# Altium PCB Bran_Main_Assay_PCB_v2.PcbDoc (part 7 of 15) (continued)
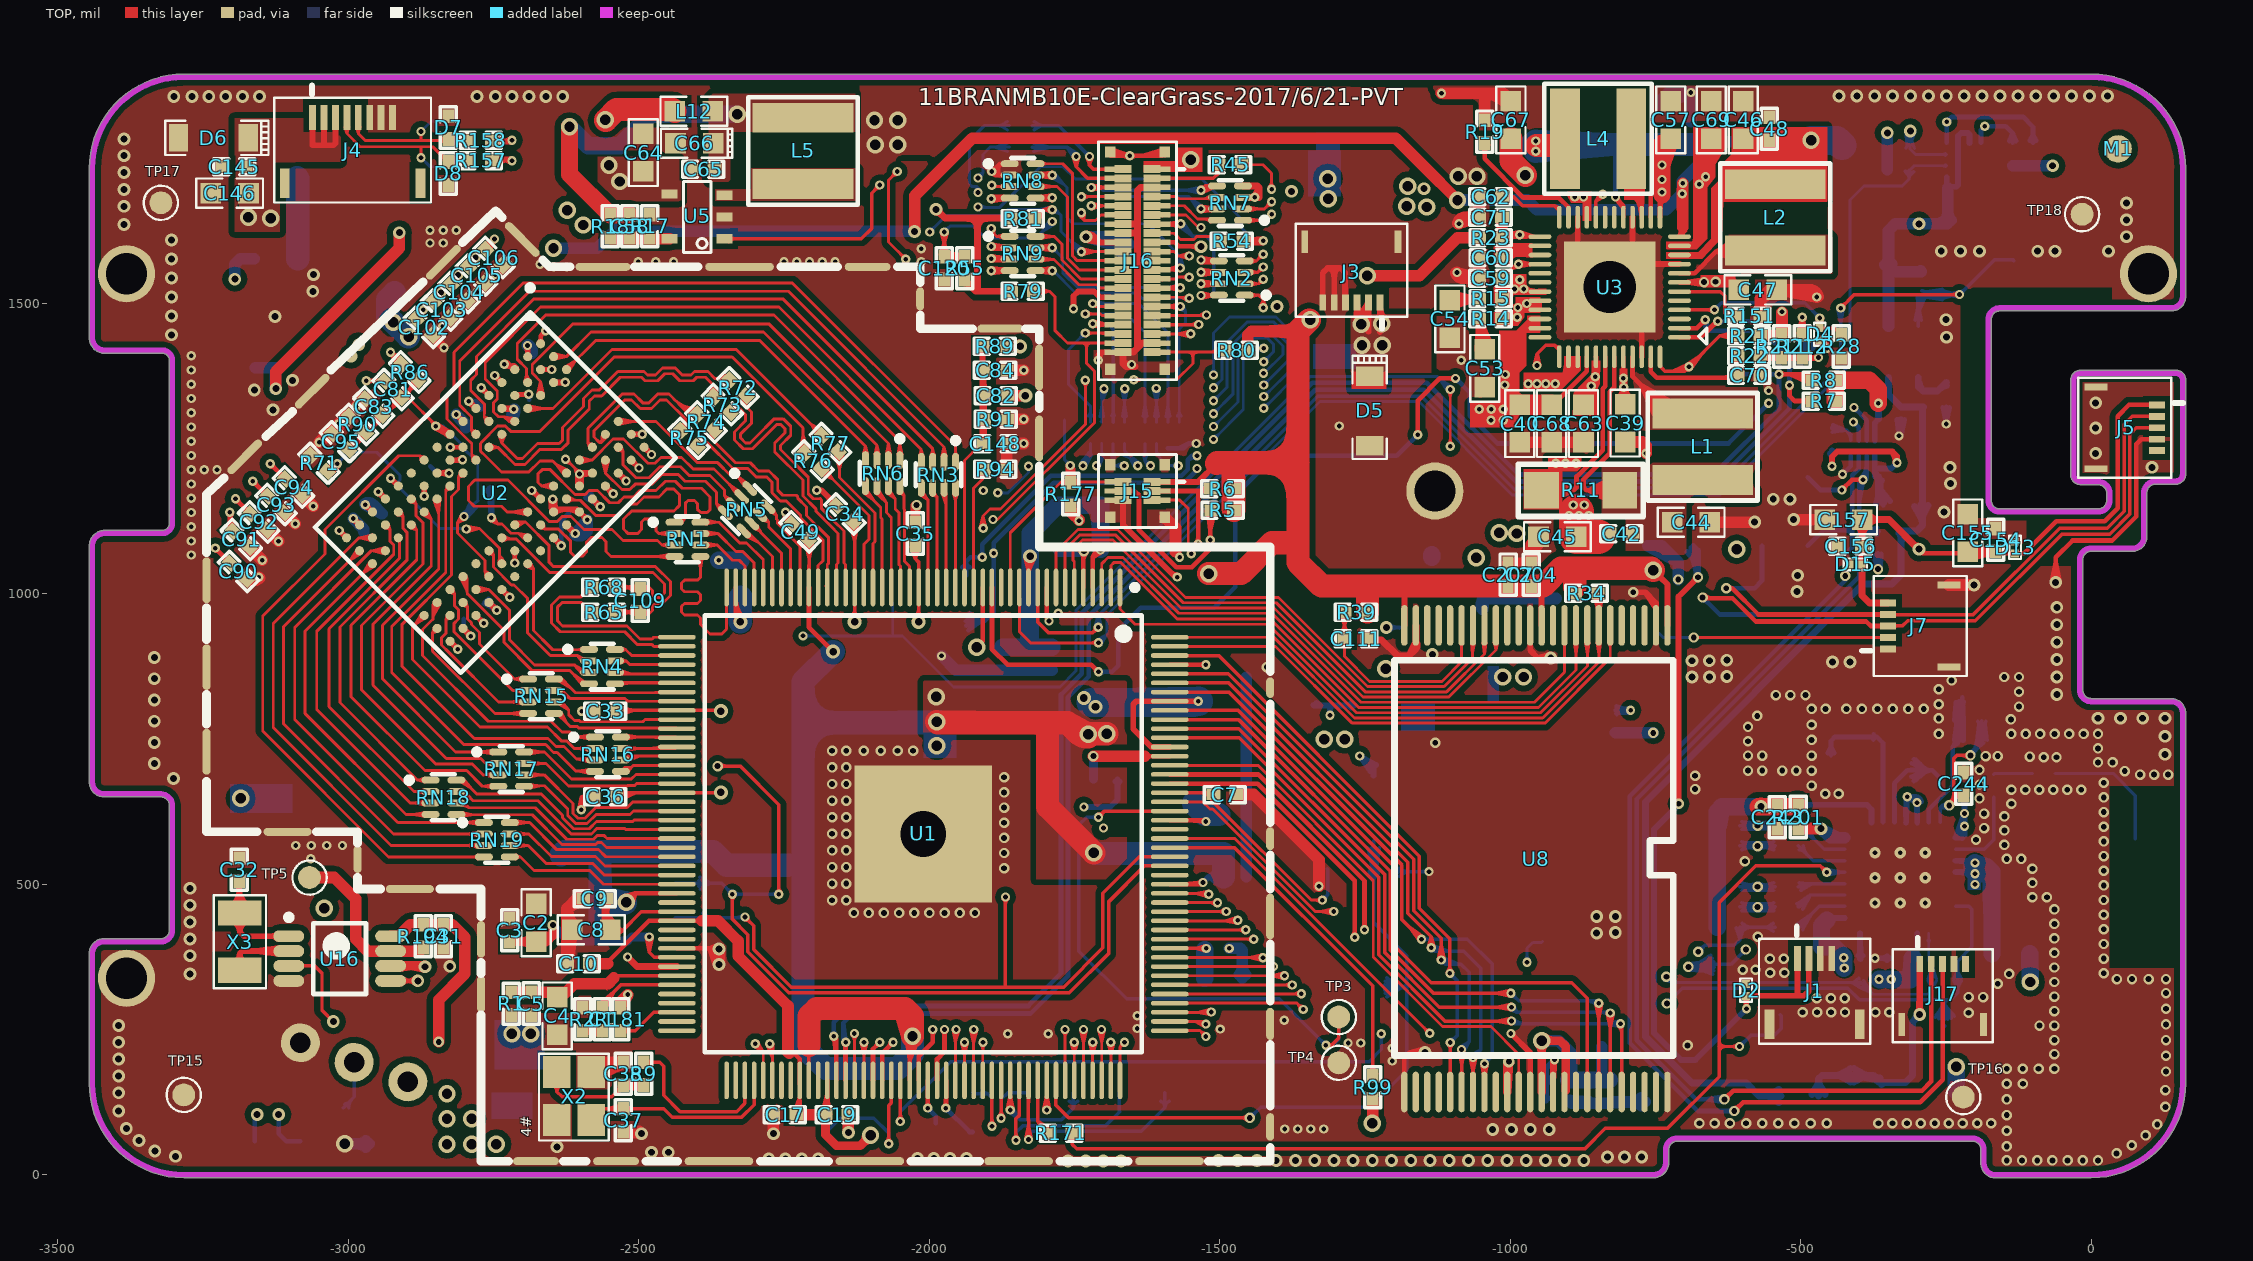
[diagram p0: TOP view]
## Nets (pads, with @x,y where several pads share a name; then routed paths per layer and width w, separated by ;. In a path a pad name is that pad's centre, name@x,y a point inside that pad or via, vN(x,y) a via of type N, cw(c..) or ccw(c..) an arc to the next point about the centre after c; other vN are vias at no path point) (continued)
  BOTTOM w5: v1@-1915.16,1660.61 -1907.21,1665.1 ; v1@-1914.88,1671.31 -1905.7,1666.01 ; v1@-1914.86,1660.68 -1905.7,1666.01 ; v1@-1914.14,1671.05 -1907.21,1665.1 ; v1@-1912.41,1662.1 cw(c-1904.21,1653.9) -1904.21,1665.5 ; v1@-1912.41,1669.88 ccw(c-1901.83,1680.46) -1901.83,1665.5 ; v1@-1429.34,1603.85 ccw(c-1438.73,1594.46) -1438.73,1607.74 ccw(c-1438.73,1621.02) v1@-1429.34,1611.63 ; v1@-1427.22,1602.53 -1435.29,1608.19 ; v1@-1427.22,1612.95 -1435.29,1607.29 ; v1@-1426.74,1602.39 -1435.29,1607.29 ; v1@-1426.74,1613.09 -1435.29,1608.19 ; v1@-1423.45,1607.74 v1(-1425.45,1607.74) ; v1(-1916.3,1665.99) -1905.7,1666.01 ; v1(-1916.3,1665.99) -1907.21,1665.1 ; v1(-1916.3,1665.99) -1915.81,1665.5 -1878.79,1665.5 -1808.95,1735.34 -1769.8,1735.34 -1748.57,1714.11 -1531.31,1714.11 -1463.57,1646.37 -1463.57,1631.11 -1440.2,1607.74 v1(-1425.45,1607.74) ; -1435.29,1607.29 v1(-1425.45,1607.74) ; -1435.29,1608.19 v1(-1425.45,1607.74)
LCD-D2: RN7.2 U1.148 | length 1745.5
  TOP w5: U1.148@-1586.22,484.56 v1@-1520.27,484.56 ; U1.148@-1557.67,484.56 -1538.74,484.56 ; -1535.32,484.56 cw(c-1535.32,467) v1@-1522.9,479.42 ; -1529.27,484.56 ccw(c-1529.27,493.56) v1@-1522.9,487.2 ; v1@-1520.6,478.04 -1530.78,483.96 ; v1@-1520,488.72 -1530.78,483.96 ; v1@-1519.97,477.89 -1542.11,484.56 ; v1@-1519.37,488.8 -1542.11,484.56 ; RN7.2@-1460.22,1662.9 -1423.04,1662.9 v1(-1410.94,1674.99) ; RN7.2@-1450.43,1659.41 -1429.72,1662.9 ; RN7.2@-1450.43,1666.39 -1429.72,1662.9 ; RN7.2@-1449.9,1659.5 -1444.46,1662.61 ; RN7.2@-1449.9,1666.3 -1444.46,1663.19 ; RN7.2@-1449.59,1659.59 -1444.46,1663.19 ; RN7.2@-1449.59,1666.21 -1444.46,1662.61 ; RN7.2@-1448.24,1660.43 cw(c-1442.27,1654.45) -1442.27,1662.9 cw(c-1442.27,1671.35) RN7.2@-1448.24,1665.38 ; v1@-1416.44,1674.99 cw(c-1429.72,1674.99) -1420.33,1665.6 cw(c-1410.94,1656.21) v1@-1410.94,1669.49 ; -1542.11,484.56 v1(-1519.02,483.31) -1530.78,483.96 ; RN7.2@-1450.72,1662.9 -1444.46,1663.19 ; RN7.2@-1450.72,1662.9 -1444.46,1662.61 ; RN7.2@-1450.72,1662.9 -1429.72,1662.9
  Singal w5: v1@-1522.48,487.58 -1500.41,501.91 v1@-1514.74,479.85 ; v1(-1519.02,483.31) -1487.95,514.37 -1487.95,1623.97 -1456.92,1654.99 -1430.94,1654.99 v1(-1410.94,1674.99) ; v1@-1519.02,488.81 ccw(c-1519.02,502.09) -1509.63,492.7 ccw(c-1500.24,483.31) v1@-1513.52,483.31 ; v1@-1416.44,1674.99 cw(c-1429.72,1674.99) -1420.33,1665.6 cw(c-1410.94,1656.21) v1@-1410.94,1669.49
LCD-D3: RN7.1 U1.147 | length 1757.3
  TOP w5: U1.147@-1586.22,468.81 -1525.03,468.81 ; U1.147@-1557.67,468.81 -1538.74,468.81 ; -1525.02,468.81 v1@-1504.52,468.81 ; -1518.5,468.81 cw(c-1518.5,453.82) v1@-1507.9,464.42 ; -1516.09,468.81 ccw(c-1516.09,480.38) v1@-1507.9,472.2 ; v1@-1506.18,463.25 -1513.09,469.2 ; v1@-1505.44,462.99 -1514.62,468.3 ; v1@-1505.45,473.62 -1514.62,468.3 ; v1@-1505.15,473.69 -1513.09,469.2 ; RN7.1@-1460.22,1643.21 -1421.23,1643.21 v1(-1410.94,1653.49) ; RN7.1@-1450.43,1639.72 -1429.72,1643.21 ; RN7.1@-1450.43,1646.7 -1429.72,1643.21 ; RN7.1@-1449.9,1639.81 -1444.46,1642.92 ; RN7.1@-1449.9,1646.61 -1444.46,1643.5 ; RN7.1@-1449.59,1639.9 -1444.46,1643.5 ; RN7.1@-1449.59,1646.52 -1444.46,1642.92 ; RN7.1@-1448.24,1640.74 cw(c-1442.27,1634.76) -1442.27,1643.21 cw(c-1442.27,1651.66) RN7.1@-1448.24,1645.69 ; v1@-1416.44,1653.49 cw(c-1429.72,1653.49) -1420.33,1644.1 cw(c-1410.94,1634.71) v1@-1410.94,1647.99 ; -1514.62,468.3 v1(-1504.02,468.31) -1513.09,469.2 ; RN7.1@-1450.72,1643.21 -1444.46,1643.5 ; RN7.1@-1450.72,1643.21 -1444.46,1642.92 ; RN7.1@-1450.72,1643.21 -1429.72,1643.21
  Singal w5: v1@-1507.48,472.58 -1485.41,486.91 v1@-1499.74,464.85 ; v1(-1504.02,468.31) -1477.45,494.87 -1477.45,1621.74 -1457.45,1641.74 -1422.7,1641.74 ; v1@-1504.02,473.81 ccw(c-1504.02,487.09) -1494.63,477.7 ccw(c-1485.24,468.31) v1@-1498.52,468.31 ; v1@-1416.44,1653.49 cw(c-1429.72,1653.49) -1420.33,1644.1 cw(c-1410.94,1634.71) v1@-1410.94,1647.99 ; v1@-1415.42,1656.68 -1422.7,1641.74 ; v1@-1407.75,1649.01 -1422.7,1641.74 ; -1422.7,1641.74 v1(-1410.94,1653.49) -1422.7,1641.74
LCD-D4: RN2.4 U1.146 | length 1726.7
  TOP w5: U1.146@-1586.22,453.06 v1@-1489.26,453.06 ; U1.146@-1557.67,453.06 -1538.74,453.06 ; -1502.89,453.06 ccw(c-1502.89,467.18) v1@-1492.9,457.2 ; -1501.7,453.06 cw(c-1501.7,440.62) v1@-1492.9,449.42 ; v1@-1490.98,458.45 -1498.48,452.64 ; v1@-1490.62,448.05 -1499.23,453.54 ; v1@-1490.37,458.64 -1499.23,453.54 ; v1@-1490.23,447.94 -1498.48,452.64 ; RN2.4@-1457.22,1573.27 -1436.92,1573.27 ; RN2.4@-1447.15,1569.82 -1436.92,1573.27 ; RN2.4@-1447.15,1576.72 -1436.92,1573.27 ; RN2.4@-1446.9,1569.87 -1441.46,1572.98 ; RN2.4@-1446.9,1576.67 -1441.46,1573.56 ; RN2.4@-1446.59,1569.96 -1441.46,1573.56 ; RN2.4@-1446.59,1576.58 -1441.46,1572.98 ; RN2.4@-1445.24,1570.8 cw(c-1439.27,1564.82) -1439.27,1573.27 cw(c-1439.27,1581.72) RN2.4@-1445.24,1575.75 ; v1@-1430.95,1584.74 cw(c-1444.23,1584.74) -1434.84,1575.35 cw(c-1425.45,1565.96) v1@-1425.45,1579.24 ; v1(-1425.45,1584.74) -1436.92,1573.27 ; -1499.23,453.54 v1(-1489.02,453.31) -1498.48,452.64 ; RN2.4@-1447.72,1573.27 -1441.46,1573.56 ; RN2.4@-1447.72,1573.27 -1441.46,1572.98 ; RN2.4@-1447.72,1573.27 -1436.92,1573.27
  Singal w5: v1@-1492.48,457.58 -1470.41,471.91 v1@-1484.74,449.85 ; v1(-1489.02,453.31) -1468.45,473.87 -1468.45,1563.74 -1447.45,1584.74 ; v1@-1489.02,458.81 ccw(c-1489.02,472.09) -1479.63,462.7 ccw(c-1470.24,453.31) v1@-1483.52,453.31 ; v1@-1429.34,1580.85 ccw(c-1438.73,1571.46) -1438.73,1584.74 ccw(c-1438.73,1598.02) v1@-1429.34,1588.63 ; v1@-1427.22,1579.53 -1435.29,1585.19 ; v1@-1427.22,1589.95 -1435.29,1584.29 ; v1@-1426.74,1579.39 -1435.29,1584.29 ; v1@-1426.74,1590.09 -1435.29,1585.19 ; v1@-1426.14,1579.28 -1447.45,1584.74 ; v1@-1426.14,1590.2 -1447.45,1584.74 ; -1447.45,1584.74 v1(-1425.45,1584.74) ; -1447.45,1584.74 v1(-1425.45,1584.74) ; -1435.29,1584.29 v1(-1425.45,1584.74) ; -1435.29,1585.19 v1(-1425.45,1584.74)
LCD-D5: RN2.3 U1.145 | length 1763.5
  TOP w5: U1.145@-1586.22,437.31 v1@-1470.01,437.31 ; U1.145@-1557.67,437.31 -1538.74,437.31 ; -1484.7,437.31 ccw(c-1484.7,453.99) v1@-1472.9,442.2 ; -1479.89,437.31 cw(c-1479.89,427.43) v1@-1472.9,434.42 ; v1@-1471.61,443.16 -1477.33,436.98 ; v1@-1470.55,443.59 -1480.38,437.88 ; v1@-1470.14,432.92 -1480.38,437.88 ; v1@-1469.97,432.89 -1477.33,436.98 ; v1@-1469.91,443.73 -1492.08,437.31 ; v1@-1469.43,432.82 -1492.08,437.31 ; RN2.3@-1456.06,1554.74 RN2.3@-1457.22,1553.58 -1434.61,1553.58 ; RN2.3@-1447.25,1550.11 -1434.61,1553.58 ; RN2.3@-1447.25,1557.05 -1434.61,1553.58 ; RN2.3@-1446.9,1550.18 -1441.46,1553.29 ; RN2.3@-1446.9,1556.98 -1441.46,1553.87 ; RN2.3@-1446.59,1550.27 -1441.46,1553.87 ; RN2.3@-1446.59,1556.89 -1441.46,1553.29 ; RN2.3@-1445.24,1551.11 cw(c-1439.27,1545.13) -1439.27,1553.58 cw(c-1439.27,1562.03) RN2.3@-1445.24,1556.06 ; v1@-1430.95,1562.64 cw(c-1443.45,1562.42) -1434.61,1553.58 ; v1@-1425.55,1557.24 ccw(c-1425.77,1544.74) -1434.61,1553.58 ; v1(-1425.45,1562.74) -1434.61,1553.58 ; -1492.08,437.31 v1(-1469.02,438.31) ; -1480.38,437.88 v1(-1469.02,438.31) ; -1477.33,436.98 v1(-1469.02,438.31) ; RN2.3@-1447.72,1553.58 -1441.46,1553.87 ; RN2.3@-1447.72,1553.58 -1441.46,1553.29 ; RN2.3@-1447.72,1553.58 -1434.61,1553.58
  Singal w5: v1@-1472.03,442.91 -1459.45,447.87 ; v1(-1469.02,438.31) -1459.45,447.87 ; v1@-1469.02,443.81 ccw(c-1469.02,457.09) -1459.63,447.7 ccw(c-1450.24,438.31) v1@-1463.52,438.31 ; v1@-1464.42,435.29 -1459.45,447.87 ; v1@-1429.34,1558.85 ccw(c-1438.73,1549.46) -1438.73,1562.74 ccw(c-1438.73,1576.02) v1@-1429.34,1566.63 ; v1@-1427.22,1557.53 -1435.29,1563.19 ; v1@-1427.22,1567.95 -1435.29,1562.29 ; v1@-1426.74,1557.39 -1435.29,1562.29 ; v1@-1426.74,1568.09 -1435.29,1563.19 ; v1@-1426.34,1557.31 -1442.45,1562.74 ; v1@-1426.34,1568.17 -1442.45,1562.74 ; -1459.45,447.87 -1459.45,1545.74 -1442.45,1562.74 ; -1442.45,1562.74 v1(-1425.45,1562.74) ; -1442.45,1562.74 v1(-1425.45,1562.74) ; -1435.29,1562.29 v1(-1425.45,1562.74) ; -1435.29,1563.19 v1(-1425.45,1562.74)
LCD-D6: RN2.2 U1.144 | length 1758.4
  TOP w5: U1.144@-1586.22,421.57 v1@-1455.75,421.57 ; U1.144@-1557.67,421.57 -1538.74,421.57 ; -1469.13,421.57 ccw(c-1469.13,435.43) v1@-1459.34,425.63 ; -1468.32,421.57 cw(c-1468.32,408.87) v1@-1459.34,417.85 ; v1@-1457.35,426.9 -1465.03,421.14 ; RN2.2@-1457.22,1533.9 -1433.29,1533.9 ; v1@-1457.1,416.5 -1465.55,422.04 ; v1@-1456.79,427.08 -1465.55,422.04 ; v1@-1456.69,416.38 -1465.03,421.14 ; RN2.2@-1447.29,1530.43 -1433.29,1533.9 ; RN2.2@-1447.29,1537.37 -1433.29,1533.9 ; RN2.2@-1446.9,1530.5 -1441.46,1533.61 ; RN2.2@-1446.9,1537.3 -1441.46,1534.19 ; RN2.2@-1446.59,1530.59 -1441.46,1534.19 ; RN2.2@-1446.59,1537.21 -1441.46,1533.61 ; RN2.2@-1445.24,1531.43 cw(c-1439.27,1525.45) -1439.27,1533.9 cw(c-1439.27,1542.35) RN2.2@-1445.24,1536.38 ; v1@-1430.9,1541 cw(c-1439.25,1539.86) -1433.29,1533.9 ; v1@-1426.19,1536.29 ccw(c-1427.33,1527.94) -1433.29,1533.9 ; v1(-1425.45,1541.74) -1433.29,1533.9 ; -1465.55,422.04 v1(-1455.45,421.74) -1465.03,421.14 ; RN2.2@-1447.72,1533.9 -1441.46,1534.19 ; RN2.2@-1447.72,1533.9 -1441.46,1533.61 ; RN2.2@-1447.72,1533.9 -1433.29,1533.9
  Singal w5: v1@-1460.54,423.83 -1450.6,440.77 ; v1@-1459.56,425.39 -1450.19,431.82 ; v1@-1459.34,425.63 ccw(c-1483.21,449.5) -1449.45,449.5 ; v1@-1455.8,422.09 ccw(c-1471.14,437.43) -1449.45,437.43 ; v1@-1450.1,420.45 -1450.19,431.82 ; v1@-1449.98,421.14 -1450.6,440.77 ; v1@-1429.56,1538.09 ccw(c-1437.7,1530.85) -1437.7,1541.74 ; v1@-1429.56,1545.4 cw(c-1437.7,1552.63) -1437.7,1541.74 ; v1@-1427.48,1536.63 -1434.27,1542.29 ; v1@-1427.48,1546.85 -1434.27,1541.19 ; v1@-1426.83,1536.42 -1434.27,1541.19 ; v1@-1426.83,1547.06 -1434.27,1542.29 ; v1@-1426.68,1536.38 -1437.7,1541.74 ; v1@-1426.68,1547.1 -1437.7,1541.74 ; v1(-1455.45,421.74) -1450.19,431.82 ; v1(-1455.45,421.74) -1450.6,440.77 ; v1(-1455.45,421.74) -1449.45,427.74 -1449.45,1529.99 -1437.7,1541.74 ; -1437.7,1541.74 v1(-1425.45,1541.74) ; -1437.7,1541.74 v1(-1425.45,1541.74) ; -1434.27,1541.19 v1(-1425.45,1541.74) ; -1434.27,1542.29 v1(-1425.45,1541.74)
LCD-D7: RN2.1 U1.143 | length 1719.7
  TOP w5: U1.143@-1586.22,405.82 v1(-1441.5,405.82) ; U1.143@-1557.67,405.82 -1538.74,405.82 ; RN2.1@-1457.22,1514.21 -1432.92,1514.21 ; RN2.1@-1447.3,1510.73 -1432.92,1514.21 ; RN2.1@-1447.3,1517.69 -1432.92,1514.21 ; RN2.1@-1446.9,1510.81 -1441.46,1513.92 ; RN2.1@-1446.9,1517.61 -1441.46,1514.5 ; RN2.1@-1446.59,1510.9 -1441.46,1514.5 ; RN2.1@-1446.59,1517.52 -1441.46,1513.92 ; v1@-1445.39,401.93 ccw(c-1454.78,392.54) -1454.78,405.82 ccw(c-1454.78,419.1) v1@-1445.39,409.71 ; RN2.1@-1445.24,1511.74 cw(c-1439.27,1505.76) -1439.27,1514.21 cw(c-1439.27,1522.66) RN2.1@-1445.24,1516.69 ; v1@-1443.28,400.62 -1451.34,406.27 ; v1@-1443.28,411.03 -1451.34,405.37 ; v1@-1442.79,400.48 -1451.34,405.37 ; v1@-1442.79,411.17 -1451.34,406.27 ; v1@-1430.84,1493.82 -1425.45,1506.74 ; v1@-1430.8,1494.03 -1425.9,1502.58 ; v1@-1430.65,1494.52 -1425,1502.58 ; v1@-1429.34,1496.63 ccw(c-1438.73,1506.02) -1425.45,1506.02 ccw(c-1412.17,1506.02) v1@-1421.56,1496.63 ; v1@-1420.24,1494.52 -1425.9,1502.58 ; v1@-1420.1,1494.03 -1425,1502.58 ; v1@-1420.06,1493.82 -1425.45,1506.74 ; -1451.34,405.37 v1(-1441.5,405.82) ; -1451.34,406.27 v1(-1441.5,405.82) ; RN2.1@-1447.72,1514.21 -1441.46,1514.5 ; RN2.1@-1447.72,1514.21 -1441.46,1513.92 ; RN2.1@-1447.72,1514.21 -1432.92,1514.21 ; -1432.92,1514.21 -1425.45,1506.74 ; -1425.9,1502.58 v1(-1425.45,1492.74) ; v1(-1425.45,1492.74) -1425,1502.58 ; v1(-1425.45,1492.74) -1425.45,1506.74
  Singal w5: v1@-1446.32,408.47 -1440.12,414.05 ; v1@-1445.39,409.71 ccw(c-1457.32,421.64) -1440.45,421.64 ; -1440.45,416.56 ccw(c-1430.76,416.56) v1@-1437.61,409.71 ; v1@-1436.08,406.75 -1440.12,414.05 ; v1@-1430.95,1492.74 cw(c-1444.23,1492.74) -1434.84,1483.35 cw(c-1425.45,1473.96) v1@-1425.45,1487.24 ; v1@-1429.81,1496.09 -1440.45,1477.74 ; v1@-1422.1,1488.38 -1440.45,1477.74 ; -1440.45,1477.74 v1(-1425.45,1492.74) -1440.45,1477.74 ; -1440.45,1477.74 -1440.45,406.87 v1(-1441.5,405.82) -1440.12,414.05
LCD-D10: RN8.3 U1.141 | length 2799.3
  TOP w5: v1(-1892.46,1703.5) -1890.12,1701.16 RN8.3@-1861.69,1701.16 ; RN8.3@-1873.67,1698.69 ccw(c-1879.64,1692.71) -1879.64,1701.16 ccw(c-1879.64,1709.61) RN8.3@-1873.67,1703.63 ; RN8.3@-1872.32,1697.85 -1877.46,1701.45 ; RN8.3@-1872.32,1704.47 -1877.46,1700.87 ; RN8.3@-1872.02,1697.76 -1877.46,1700.87 ; RN8.3@-1872.02,1704.56 -1877.46,1701.45 ; U1.141@-1586.22,374.32 -1426.14,374.32 v1(-1425.65,373.83) ; U1.141@-1557.67,374.32 -1538.74,374.32 ; -1440.12,374.32 cw(c-1440.12,359.35) v1@-1429.53,369.94 ; -1437.73,374.32 ccw(c-1437.73,385.91) v1@-1429.53,377.72 ; v1@-1427.81,368.77 -1434.73,374.72 ; v1@-1427.08,379.14 -1436.24,373.81 ; v1@-1427.07,368.51 -1436.24,373.81 ; v1@-1426.78,379.21 -1434.73,374.72 ; v1@-1426.42,368.38 -1448.66,374.32 ; v1@-1426.19,379.3 -1448.66,374.32 ; -1877.46,1700.87 -1871.19,1701.16 -1877.46,1701.45 ; -1448.66,374.32 v1(-1425.65,373.83) ; -1436.24,373.81 v1(-1425.65,373.83) ; -1434.73,374.72 v1(-1425.65,373.83)
  Singal w5: v1(-1892.46,1703.5) -1884.96,1695.99 -1844.46,1695.99 -1823.46,1675 -1823.46,1534.4 -1746.46,1457.4 -1746.46,1332.74 -1734.46,1320.74 -1584.2,1320.74 -1537.94,1366.99 -1520.94,1366.99 ; v1@-1516.44,1376.99 cw(c-1529.72,1376.99) -1520.33,1367.6 cw(c-1510.94,1358.21) v1@-1510.94,1371.49 ; v1@-1515.52,1380.05 -1520.94,1366.99 ; v1@-1507.89,1372.42 -1520.94,1366.99 ; v1@-1429.91,1319.08 -1424.45,1296.74 ; v1@-1429.8,1318.45 -1424.9,1309.9 ; v1@-1429.65,1317.96 -1424,1309.9 ; v1@-1428.34,1315.85 cw(c-1437.73,1306.46) -1424.45,1306.46 cw(c-1411.17,1306.46) v1@-1420.56,1315.85 ; v1(-1425.65,373.83) -1389.45,410.02 -1389.45,899 -1424.45,934 v1(-1424.45,1319.74) ; v1@-1425.65,379.33 ccw(c-1425.65,392.61) -1416.26,383.22 ccw(c-1406.87,373.83) v1@-1420.15,373.83 ; v1@-1419.24,1317.96 -1424.9,1309.9 ; v1@-1419.1,1318.45 -1424,1309.9 ; v1@-1418.99,1319.08 -1424.45,1296.74 ; -1520.94,1366.99 v1(-1510.94,1376.99) -1520.94,1366.99 ; -1424.9,1309.9 v1(-1424.45,1319.74) ; -1424.45,1296.74 v1(-1424.45,1319.74) ; v1(-1424.45,1319.74) -1424,1309.9
  BOTTOM w5: v1@-1516.15,1378.77 -1510.49,1386.83 ; v1@-1514.83,1380.88 ccw(c-1524.22,1390.27) -1510.94,1390.27 ccw(c-1497.67,1390.27) v1@-1507.06,1380.88 ; v1@-1505.6,1378.28 -1510.49,1386.83 ; v1(-1424.45,1319.74) -1423.94,1319.74 -1364.45,1379.23 -1364.45,1437.74 -1403.45,1476.74 -1483.18,1476.74 -1510.94,1448.97 v1(-1510.94,1376.99) -1510.49,1386.83 ; v1@-1424.45,1325.24 ccw(c-1424.45,1339.74) -1414.2,1329.49 ; v1@-1418.95,1319.74 cw(c-1406.89,1319.74) -1415.42,1328.27
LCD-D11: RN8.4 U1.140 | length 3420.7
  TOP w5: v1@-1892.59,1685.43 -1881.37,1680.85 ; v1@-1892.46,1680 v1@-1890.99,1681.47 ; v1@-1891.85,1674.74 -1881.37,1680.85 ; v1@-1889.58,1676.11 cw(c-1876.64,1663.17) RN8.4@-1876.64,1681.47 ; v1@-1889.58,1683.89 ccw(c-1883.74,1689.73) -1883.74,1681.47 ; RN8.4@-1873.67,1679 ccw(c-1879.64,1673.02) -1879.64,1681.47 ccw(c-1879.64,1689.92) RN8.4@-1873.67,1683.94 ; RN8.4@-1872.32,1678.16 -1877.46,1681.76 ; RN8.4@-1872.32,1684.78 -1877.46,1681.18 ; RN8.4@-1872.02,1678.07 -1877.46,1681.18 ; RN8.4@-1872.02,1684.87 -1877.46,1681.76 ; RN8.4@-1861.69,1681.47 v1@-1890.99,1681.47 ; U1.140@-1586.22,358.57 -1407.9,358.57 v1(-1407.65,358.83) ; U1.140@-1557.67,358.57 -1538.74,358.57 ; -1421.54,358.57 ccw(c-1421.54,372.72) v1@-1411.53,362.72 ; -1420.31,358.57 cw(c-1420.31,346.16) v1@-1411.53,354.94 ; v1@-1409.61,363.96 -1417.1,358.15 ; v1@-1409.24,353.56 -1417.88,359.05 ; v1@-1409.01,364.16 -1417.88,359.05 ; v1@-1408.86,353.46 -1417.1,358.15 ; v1(-1893.46,1680) RN8.4@-1871.19,1681.47 ; v1(-1893.46,1680) RN8.4@-1871.5,1684.96 ; v1(-1893.46,1680) RN8.4@-1871.5,1677.98 ; v1(-1893.46,1680) RN8.4@-1871.19,1681.47 ; v1(-1893.46,1680) RN8.4@-1872.18,1684.83 ; v1(-1893.46,1680) RN8.4@-1871.03,1677.97 ; v1(-1893.46,1680) RN8.4@-1870.36,1681.47 ; v1(-1893.46,1680) -1881.37,1680.85 ; v1@-1893.15,1685.49 RN8.4@-1871.19,1681.47 ; v1@-1893.15,1685.49 RN8.4@-1871.19,1681.47 ; v1@-1893.16,1685.49 RN8.4@-1870.36,1681.47 ; v1@-1892.43,1674.6 RN8.4@-1871.19,1681.47 ; v1@-1892.43,1674.6 RN8.4@-1871.19,1681.47 ; v1@-1892.47,1674.59 RN8.4@-1870.36,1681.47 ; v1@-1890.99,1681.47 RN8.4@-1871.19,1681.47 ; v1@-1890.99,1681.47 RN8.4@-1871.5,1684.96 ; v1@-1890.99,1681.47 RN8.4@-1871.5,1677.98 ; v1@-1885.79,1679.02 RN8.4@-1871.19,1681.47 ; v1@-1885.79,1679.02 RN8.4@-1872.18,1684.83 ; v1@-1885.79,1679.02 RN8.4@-1871.03,1677.97 ; -1877.46,1681.18 RN8.4@-1871.19,1681.47 ; -1877.46,1681.76 RN8.4@-1871.19,1681.47 ; RN8.4@-1872.18,1684.83 -1891.58,1674.83 RN8.4@-1871.5,1684.96 ; RN8.4@-1872.18,1684.83 -1894,1685.47 RN8.4@-1871.5,1684.96 ; RN8.4@-1871.5,1677.98 -1893.28,1674.5 RN8.4@-1871.03,1677.97 ; RN8.4@-1871.5,1677.98 -1892.28,1685.37 RN8.4@-1871.03,1677.97 ; -1417.88,359.05 v1(-1407.65,358.83) ; -1417.1,358.15 v1(-1407.65,358.83)
  Singal w5: v1@-1892.81,1674.54 -1870.46,1680 ; v1@-1892.81,1685.46 -1870.46,1680 ; v1@-1892.46,1680 -1845.46,1680 -1832.46,1667 -1832.46,1530.67 -1755.46,1453.67 -1755.46,1324.03 -1743.18,1311.74 -1580.47,1311.74 -1537.42,1354.79 v1(-1510.94,1354.79) ; v1@-1892.17,1674.65 -1883.62,1679.55 ; v1@-1892.17,1685.35 -1883.62,1680.45 ; v1@-1891.69,1674.79 -1883.62,1680.45 ; v1@-1891.69,1685.21 -1883.62,1679.55 ; v1@-1889.58,1676.11 cw(c-1880.19,1666.72) -1880.19,1680 cw(c-1880.19,1693.28) v1@-1889.58,1683.89 ; v1@-1514.83,1350.9 ccw(c-1524.22,1341.51) -1524.22,1354.79 ccw(c-1524.22,1368.07) v1@-1514.83,1358.68 ; v1@-1512.72,1349.59 -1520.79,1355.24 ; v1@-1512.72,1360 -1520.79,1354.34 ; v1@-1512.24,1349.45 -1520.79,1354.34 ; v1@-1512.24,1360.14 -1520.79,1355.24 ; v1@-1424.45,1334.24 cw(c-1424.45,1319.74) -1414.2,1329.99 ; v1(-1424.45,1339.74) -1423.94,1339.74 -1408.45,1324.25 -1408.45,930.73 -1380.45,902.73 -1380.45,386.02 v1(-1407.65,358.83) ; v1@-1418.95,1339.74 ccw(c-1406.89,1339.74) -1415.42,1331.21 ; v1@-1411.11,363.1 -1389.04,377.43 v1@-1403.37,355.37 ; v1@-1407.65,364.33 ccw(c-1407.65,377.61) -1398.26,368.22 ccw(c-1388.87,358.83) v1@-1402.15,358.83 ; v1(-1893.46,1680) -1870.46,1680 ; v1(-1893.46,1680) -1883.62,1680.45 ; v1(-1893.46,1680) -1883.62,1679.55 ; -1520.79,1354.34 v1(-1510.94,1354.79) ; -1520.79,1355.24 v1(-1510.94,1354.79)
  BOTTOM w5: v1(-1510.94,1354.79) -1496.44,1369.29 -1496.44,1424.49 -1453.2,1467.74 -1407.18,1467.74 -1373.45,1434.01 -1373.45,1390.23 -1423.94,1339.74 v1(-1424.45,1339.74) ; v1@-1510.94,1360.29 ccw(c-1510.94,1373.57) -1501.56,1364.18 ccw(c-1492.17,1354.79) v1@-1505.44,1354.79 ; v1@-1424.45,1345.24 ccw(c-1424.45,1359.74) -1414.2,1349.49 ; v1@-1418.95,1339.74 cw(c-1406.89,1339.74) -1415.42,1348.27
LCD-D12: RN9.1 U1.139 | length 2976.3
  TOP w5: v1@-1897.51,1625.27 -1888.46,1619.53 ; v1@-1893.57,1623.5 cw(c-1893.68,1618.29) -1888.46,1618.29 ; v1(-1893.46,1629) -1888.46,1619.53 ; v1@-1888.46,1629 -1888.46,1619.53 ; v1@-1888.1,1630.23 -1888.46,1619.53 ; RN9.1@-1873.67,1613.06 ccw(c-1879.64,1607.08) -1879.64,1615.53 ccw(c-1879.64,1623.98) RN9.1@-1873.67,1618 ; RN9.1@-1872.32,1612.22 -1877.46,1615.82 ; RN9.1@-1872.32,1618.84 -1877.46,1615.24 ; RN9.1@-1872.02,1612.13 -1877.46,1615.24 ; RN9.1@-1872.02,1618.93 -1877.46,1615.82 ; RN9.1@-1871.66,1612.06 -1884.46,1615.53 ; RN9.1@-1871.66,1619 -1884.46,1615.53 ; RN9.1@-1861.69,1615.53 -1884.46,1615.53 ; U1.139@-1586.22,342.83 v1(-1388.65,342.83) ; U1.139@-1557.67,342.83 -1538.74,342.83 ; -1401.94,342.83 cw(c-1401.94,329.54) v1@-1392.53,338.94 ; -1401.91,342.83 ccw(c-1401.91,356.09) v1@-1392.53,346.72 ; v1@-1390.43,337.62 -1398.48,343.28 ; v1@-1390.42,348.03 -1398.49,342.38 ; v1@-1389.94,337.48 -1398.49,342.38 ; v1@-1389.94,348.17 -1398.48,343.28 ; v1@-1389.3,337.37 -1411.65,342.83 ; v1@-1389.3,348.29 -1411.65,342.83 ; -1888.46,1619.53 -1884.46,1615.53 ; -1884.46,1615.53 RN9.1@-1871.19,1615.53 ; -1877.46,1615.24 RN9.1@-1871.19,1615.53 ; -1877.46,1615.82 RN9.1@-1871.19,1615.53 ; -1411.65,342.83 v1(-1388.65,342.83) ; -1398.49,342.38 v1(-1388.65,342.83) ; -1398.48,343.28 v1(-1388.65,342.83)
  Singal w5: v1@-1892.81,1623.54 -1870.46,1629 ; v1@-1892.81,1634.46 -1870.46,1629 ; v1@-1892.17,1623.65 -1883.62,1628.55 ; v1@-1892.17,1634.35 -1883.62,1629.45 ; v1@-1891.69,1623.79 -1883.62,1629.45 ; v1@-1891.69,1634.21 -1883.62,1628.55 ; v1@-1889.58,1625.11 cw(c-1880.19,1615.72) -1880.19,1629 cw(c-1880.19,1642.28) v1@-1889.58,1632.89 ; v1@-1888.46,1629 -1863.46,1629 -1841.46,1607 -1841.46,1526.94 -1764.46,1449.94 -1764.46,1320.3 -1746.9,1302.74 -1576.74,1302.74 -1546.89,1332.59 v1(-1510.94,1332.59) ; v1@-1514.83,1328.7 ccw(c-1524.22,1319.31) -1524.22,1332.59 ccw(c-1524.22,1345.87) v1@-1514.83,1336.48 ; v1@-1512.72,1327.39 -1520.79,1333.04 ; v1@-1512.72,1337.8 -1520.79,1332.14 ; v1@-1512.24,1327.25 -1520.79,1332.14 ; v1@-1512.24,1337.94 -1520.79,1333.04 ; v1@-1511.6,1327.13 -1533.94,1332.59 ; v1@-1511.6,1338.05 -1533.94,1332.59 ; v1@-1424.45,1354.24 cw(c-1424.45,1339.74) -1414.2,1349.99 ; v1@-1423.94,1359.74 -1399.45,1335.25 -1399.45,934.46 -1371.45,906.46 -1371.45,360.02 ; v1@-1418.95,1359.74 ccw(c-1406.89,1359.74) -1415.42,1351.21 ; v1@-1392.07,347.13 -1371.45,360.02 ; v1(-1388.65,342.83) -1371.45,360.02 ; v1@-1388.65,348.33 ccw(c-1388.65,361.61) -1379.26,352.22 ccw(c-1369.87,342.83) v1@-1383.15,342.83 ; v1@-1384.34,339.4 -1371.45,360.02 ; v1(-1893.46,1629) -1870.46,1629 ; v1(-1893.46,1629) -1883.62,1629.45 ; v1(-1893.46,1629) -1883.62,1628.55 ; -1533.94,1332.59 v1(-1510.94,1332.59) ; -1520.79,1332.14 v1(-1510.94,1332.59) ; -1520.79,1333.04 v1(-1510.94,1332.59)
  BOTTOM w5: v1(-1510.94,1332.59) -1487.44,1356.09 -1487.44,1420.7 -1449.4,1458.74 -1410.9,1458.74 -1382.45,1430.28 -1382.45,1401.73 v1(-1424.45,1359.74) ; v1@-1510.94,1338.09 ccw(c-1510.94,1351.37) -1501.56,1341.98 ccw(c-1492.17,1332.59) v1@-1505.44,1332.59 ; v1@-1424.45,1365.24 ccw(c-1424.45,1378.55) -1415.04,1369.14 ccw(c-1405.7,1359.74) v1@-1418.95,1359.74
LCD-D13: RN9.2 U1.138 | length 3460.2
  TOP w5: v1@-1894.18,1592.55 RN9.2@-1871.5,1592.35 ; v1@-1894.16,1592.54 RN9.2@-1872.28,1592.51 ; v1@-1893.32,1592.5 RN9.2@-1870.25,1595.84 ; v1@-1892.92,1592.53 -1880.32,1596.54 ; v1@-1892.47,1592.59 RN9.2@-1870.94,1599.33 ; v1@-1892.45,1592.59 RN9.2@-1871.5,1599.33 ; v1@-1892.31,1603.38 RN9.2@-1870.25,1595.84 ; v1@-1891.74,1603.22 -1880.32,1596.54 ; v1@-1889.58,1594.11 cw(c-1885.4,1589.94) -1885.4,1595.84 ; v1@-1889.58,1601.89 ccw(c-1874.97,1616.49) RN9.2@-1874.97,1595.84 ; RN9.2@-1873.67,1593.37 ccw(c-1879.64,1587.39) -1879.64,1595.84 ccw(c-1879.64,1604.29) RN9.2@-1873.67,1598.31 ; RN9.2@-1872.32,1592.53 -1877.46,1596.13 ; RN9.2@-1872.32,1599.15 -1877.46,1595.55 ; RN9.2@-1872.02,1592.44 -1877.46,1595.55 ; RN9.2@-1872.02,1599.24 -1877.46,1596.13 ; RN9.2@-1861.69,1595.84 v1@-1891.3,1595.84 ; U1.138@-1586.22,327.08 -1375.9,327.08 v1(-1375.65,326.83) ; U1.138@-1557.67,327.08 -1538.74,327.08 ; -1389.54,327.08 cw(c-1389.54,312.93) v1@-1379.53,322.94 ; -1388.31,327.08 ccw(c-1388.31,339.49) v1@-1379.53,330.72 ; v1@-1377.61,321.69 -1385.1,327.5 ; v1@-1377.24,332.09 -1385.88,326.6 ; v1@-1377.01,321.5 -1385.88,326.6 ; v1@-1376.86,332.19 -1385.1,327.5 ; v1(-1893.46,1598) -1885.3,1598.61 ; v1(-1893.46,1598) RN9.2@-1871.19,1595.84 ; v1(-1893.46,1598) -1885.3,1598.61 ; v1(-1893.46,1598) RN9.2@-1870.94,1599.33 ; v1(-1893.46,1598) -1885.3,1598.61 ; v1(-1893.46,1598) RN9.2@-1872.28,1592.51 ; v1(-1893.46,1598) RN9.2@-1871.19,1595.84 ; v1(-1893.46,1598) RN9.2@-1871.5,1599.33 ; v1(-1893.46,1598) RN9.2@-1871.5,1592.35 ; v1(-1893.46,1598) -1880.32,1596.54 ; v1(-1893.46,1598) RN9.2@-1870.25,1595.84 ; v1(-1893.46,1598) v1@-1891.3,1595.84 ; v1@-1892.01,1603.3 -1885.3,1598.61 ; v1@-1892.01,1603.3 -1885.3,1598.61 ; v1@-1892.01,1603.3 -1885.3,1598.61 ; v1@-1891.3,1595.84 RN9.2@-1871.19,1595.84 ; v1@-1891.3,1595.84 RN9.2@-1871.5,1599.33 ; v1@-1891.3,1595.84 RN9.2@-1871.5,1592.35 ; v1@-1891.24,1592.97 -1885.3,1598.61 ; v1@-1891.24,1592.97 -1885.3,1598.61 ; v1@-1891.24,1592.97 -1885.3,1598.61 ; -1885.3,1598.61 RN9.2@-1871.19,1595.84 ; -1885.3,1598.61 RN9.2@-1870.94,1599.33 ; -1885.3,1598.61 RN9.2@-1872.28,1592.51 ; -1877.46,1595.55 RN9.2@-1871.19,1595.84 ; -1877.46,1596.13 RN9.2@-1871.19,1595.84 ; RN9.2@-1872.28,1592.51 -1891.43,1603.11 RN9.2@-1871.5,1592.35 ; RN9.2@-1871.5,1599.33 -1893.11,1603.49 RN9.2@-1870.94,1599.33 ; RN9.2@-1871.19,1595.84 -1893.32,1592.5 RN9.2@-1871.19,1595.84 ; RN9.2@-1871.19,1595.84 -1892.26,1603.37 RN9.2@-1871.19,1595.84 ; -1385.88,326.6 v1(-1375.65,326.83) ; -1385.1,327.5 v1(-1375.65,326.83)
  Singal w5: v1@-1892.81,1592.54 -1870.46,1598 v1@-1892.81,1603.46 ; v1@-1892.17,1592.65 -1883.62,1597.55 ; v1@-1892.17,1603.35 -1883.62,1598.45 ; v1@-1891.69,1592.79 -1883.62,1598.45 ; v1@-1891.69,1603.21 -1883.62,1597.55 ; v1@-1889.58,1594.11 cw(c-1880.19,1584.72) -1880.19,1598 cw(c-1880.19,1611.28) v1@-1889.58,1601.89 ; v1@-1514.83,1306.5 ccw(c-1524.22,1297.11) -1524.22,1310.39 ccw(c-1524.22,1323.67) v1@-1514.83,1314.28 ; v1@-1512.72,1305.19 -1520.79,1310.84 ; v1@-1512.72,1315.6 -1520.79,1309.94 ; v1@-1512.24,1305.05 -1520.79,1309.94 ; v1@-1512.24,1315.74 -1520.79,1310.84 ; v1@-1511.6,1304.93 -1533.94,1310.39 ; v1@-1511.6,1315.85 -1533.94,1310.39 ; v1@-1423.94,1379.74 -1390.45,1346.25 -1390.45,938.18 -1362.45,910.18 -1362.45,340.02 ; v1@-1378.92,331.25 -1362.45,340.02 ; v1(-1375.65,326.83) -1362.45,340.02 ; v1@-1375.65,332.33 ccw(c-1375.65,345.61) -1366.26,336.22 ccw(c-1356.87,326.83) v1@-1370.15,326.83 ; v1@-1371.23,323.55 -1362.45,340.02 ; v1(-1893.46,1598) -1883.62,1598.45 ; v1(-1893.46,1598) -1883.62,1597.55 ; v1(-1893.46,1598) -1863.46,1598 -1850.46,1585 -1850.46,1523.21 -1773.46,1446.21 -1773.46,1316.57 -1749.63,1292.74 -1572.94,1292.74 -1555.29,1310.39 v1(-1510.94,1310.39) ; -1533.94,1310.39 v1(-1510.94,1310.39) ; -1520.79,1309.94 v1(-1510.94,1310.39) ; -1520.79,1310.84 v1(-1510.94,1310.39)
  BOTTOM w5: v1(-1510.94,1310.39) -1477.67,1343.66 -1477.67,1417.74 -1445.67,1449.74 -1414.63,1449.74 -1391.45,1426.56 -1391.45,1412.23 -1423.94,1379.74 v1(-1424.94,1379.74) ; v1@-1510.94,1315.89 ccw(c-1510.94,1329.17) -1501.56,1319.78 ccw(c-1492.17,1310.39) v1@-1505.44,1310.39